# KiCad board data-center-rdimm-ddr4-tester.kicad_pcb (continued)
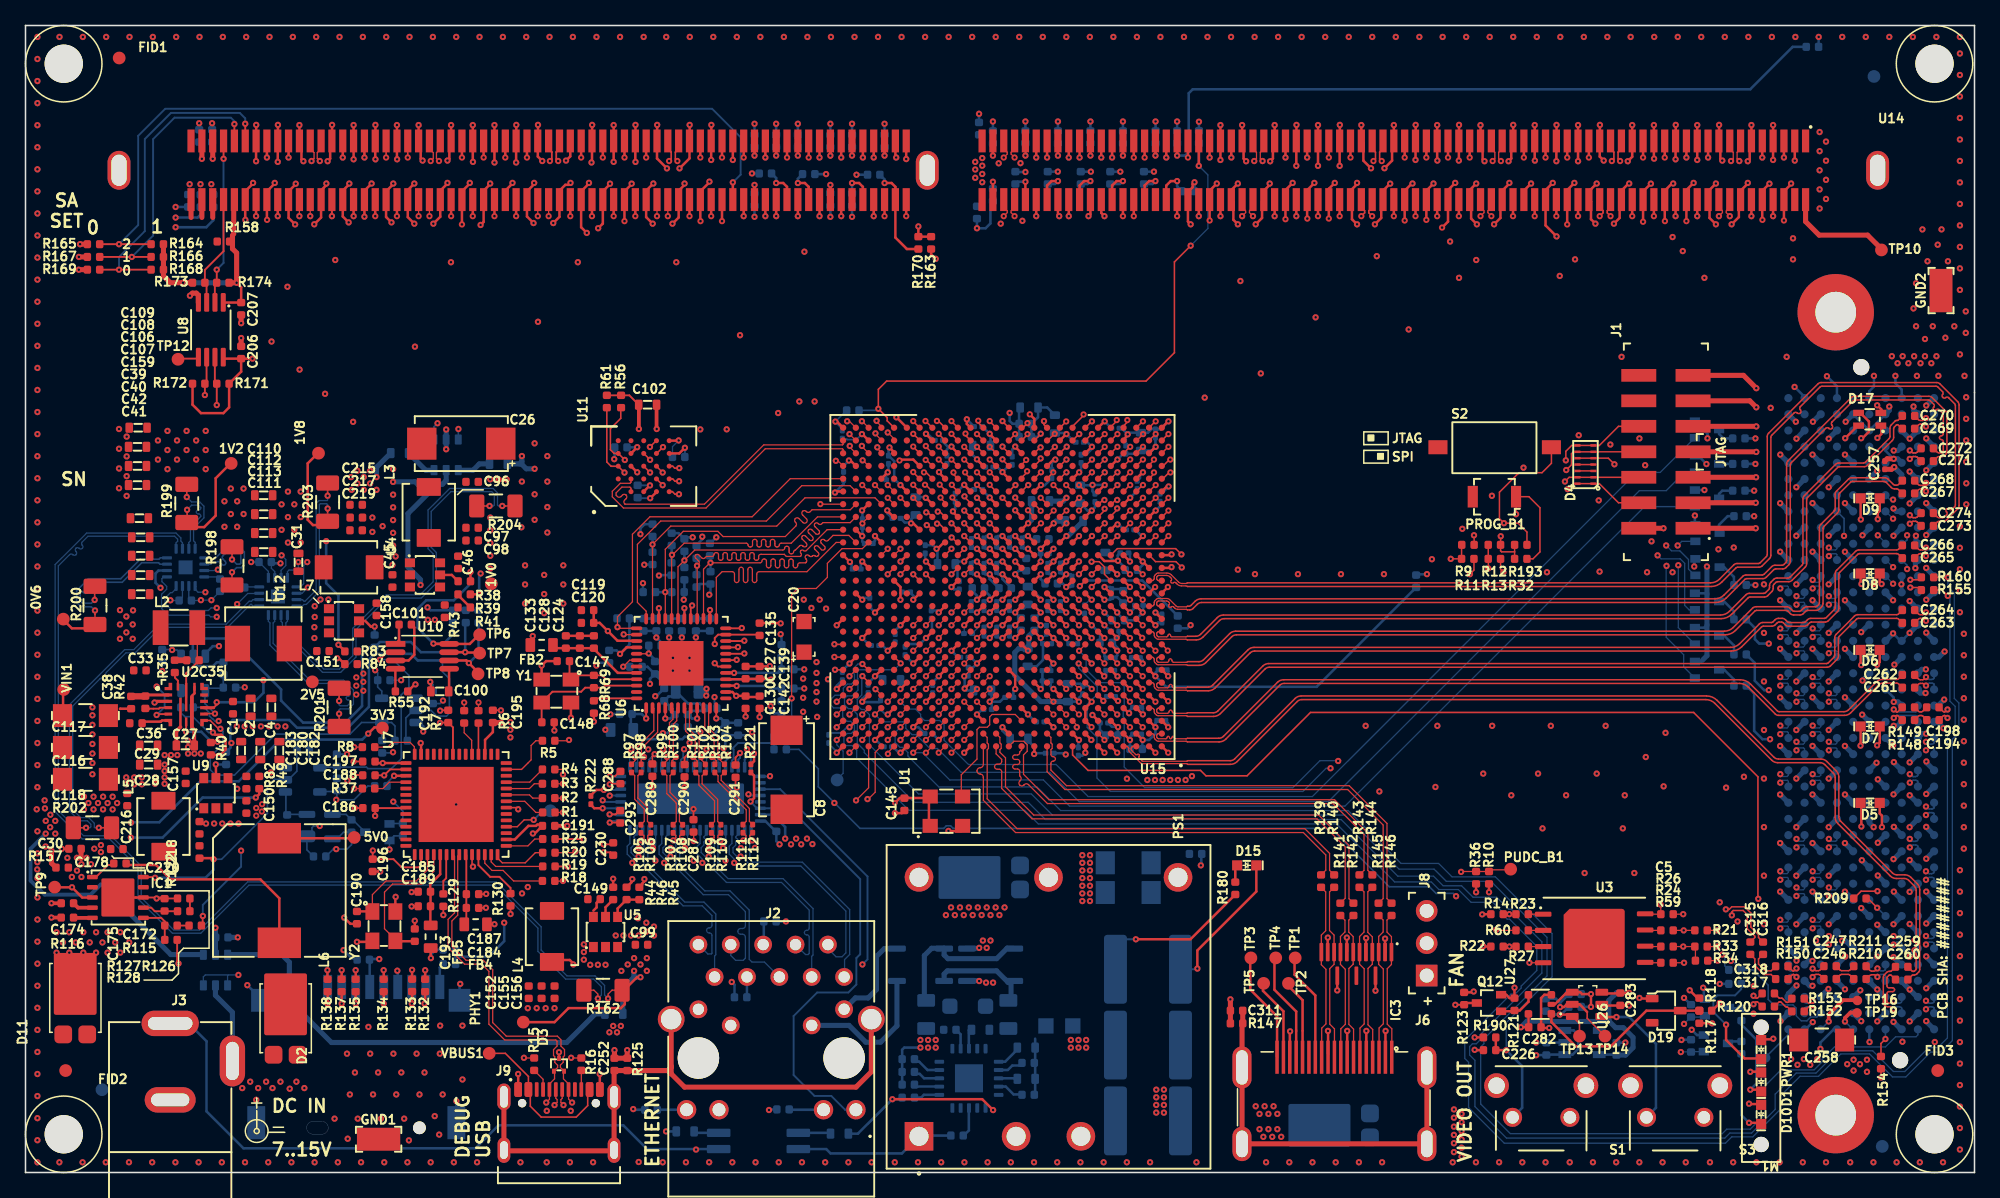
[diagram p0: board, top side]
## Routing (per net, layer and track width the routed paths; a pad name or vN(x,y) marks a point on that pad's centre or on a via; arc(x,y) is an arc through that point) (continued)
~{PERST}: length 81
  Top w0.127: 144.38,21.5 144.53,21.5 v1(145.25,20.78) ; U15.A8 82.14,32.76 83.35,31.55 92.18,31.55 92.6,31.12 95.82,31.12 100.8,36.1 130.85,36.1 135.9,31.05 135.9,21.5 v1(135.93,21.47)
  In5.Cu w0.127: v1(135.93,21.47) 137.14,20.26 144.73,20.26 v1(145.25,20.78)
  Bottom w0.127: J5.D8 145.9,20.12 v1(145.25,20.78)
~{RAS}\A16: length 42.8
  Top w0.127: U15.AA12 78.64,53.94 v1(78.66,53.94)
  Top w0.2: U14.82 v1(65.69,79.64)
  In9.Cu w0.1: v1(78.66,53.94) 78.66,54.64 78.4,54.9 78.4,55.9 78.7,56.2 78.7,58.6 79.6,59.5 79.6,60.5
  In9.Cu w0.16: 79.6,60.5 79.6,63.6 80.2,64.2 80.2,67.4 80.05,67.55 arc(79.98,67.71) 80.05,67.87 80.09,67.91 arc(80.16,68.07) 80.09,68.23 arc(79.93,68.29) 79.77,68.23 79.37,67.83 arc(79.21,67.76) 79.06,67.83 arc(78.99,67.99) 79.06,68.15 79.45,68.54 arc(79.52,68.7) 79.45,68.86 arc(79.29,68.93) 79.14,68.86 78.74,68.46 arc(78.58,68.4) 78.42,68.46 arc(78.35,68.62) 78.42,68.78 78.82,69.18 arc(78.88,69.34) 78.82,69.5 arc(78.66,69.57) 78.5,69.5 78.1,69.1 arc(77.94,69.03) 77.78,69.1 arc(77.72,69.26) 77.78,69.42 77.82,69.46 arc(77.89,69.62) 77.82,69.78 75.25,72.35 75.25,74.4 74.9,74.75 68.97,74.75 65.68,78.04 65.68,79.63 v1(65.69,79.64)
~{RESET}: length 40.7
  Top w0.127: v2(83,59.48) 83,59.41 82.14,58.55 U15.AF8
  Top w0.2: U14.58 v2(91.19,79.64)
  In2.Cu w0.1: v2(83,59.48) 83.02,59.5 83.7,59.5 84.4,60.2 84.4,60.45
  In2.Cu w0.16: 84.4,60.45 84.4,60.89 84.84,61.33 88,61.33 90.72,64.05 90.72,67.62 arc(90.65,67.8) 90.47,67.88 90.46,67.88 arc(90.29,67.95) 90.21,68.12 arc(90.29,68.3) 90.46,68.38 91.34,68.38 arc(91.51,68.45) 91.59,68.62 arc(91.51,68.8) 91.34,68.88 90.46,68.88 arc(90.29,68.95) 90.21,69.12 arc(90.29,69.3) 90.46,69.38 91.34,69.38 arc(91.51,69.45) 91.59,69.62 arc(91.51,69.8) 91.34,69.88 90.97,69.88 arc(90.8,69.95) 90.72,70.12 90.72,70.62 arc(90.81,70.82) 91,70.9 91.47,70.9 arc(91.67,70.98) 91.75,71.17 arc(91.67,71.37) 91.47,71.45 91.12,71.45 arc(90.93,71.53) 90.85,71.72 90.85,72.97 arc(90.92,73.13) 91.07,73.2 92.11,73.2 arc(92.27,73.27) 92.34,73.42 arc(92.27,73.58) 92.11,73.65 90.95,73.65 arc(90.79,73.72) 90.72,73.88 90.72,74.58 91.19,75.04 91.19,75.44 arc(91.1,75.65) 90.89,75.74 90.39,75.74 arc(90.17,75.83) 90.09,76.04 arc(90.17,76.25) 90.39,76.34 91.99,76.34 arc(92.2,76.43) 92.29,76.64 arc(92.2,76.85) 91.99,76.94 91.49,76.94 arc(91.27,77.03) 91.19,77.24 v2(91.19,79.64)
~{SAVE}: length 44.9
  Top w0.127: U15.Y10 v3(79.64,52.94)
  Top w0.2: 62.29,76.34 v1(62.29,75.04)
  In5.Cu w0.09: v3(79.64,52.94) 78.86,52.94 78.12,53.68 78.12,59.92 78.17,59.97 78.17,60.44
  In5.Cu w0.146: 78.17,60.44 78.17,67.63 77.93,67.87 arc(77.86,68.05) 77.93,68.22 77.97,68.26 arc(78.04,68.44) 77.97,68.61 arc(77.79,68.69) 77.61,68.61 77.19,68.19 arc(77.01,68.11) 76.83,68.19 arc(76.76,68.36) 76.83,68.54 77.26,68.97 arc(77.33,69.14) 77.26,69.32 arc(77.08,69.39) 76.91,69.32 76.48,68.89 arc(76.3,68.82) 76.13,68.89 arc(76.05,69.07) 76.13,69.25 76.55,69.67 arc(76.63,69.85) 76.55,70.03 arc(76.38,70.1) 76.2,70.03 75.77,69.6 arc(75.59,69.53) 75.42,69.6 arc(75.34,69.78) 75.42,69.95 75.85,70.38 arc(75.92,70.56) 75.85,70.74 arc(75.67,70.81) 75.49,70.74 75.06,70.31 arc(74.89,70.23) 74.71,70.31 arc(74.64,70.48) 74.71,70.66 74.75,70.7 arc(74.82,70.88) 74.75,71.05 74.31,71.49 74.31,71.94 71.32,74.92 69.45,74.92 68.97,74.45 66.05,74.45 64.8,75.7 62.9,75.7 62.29,75.09 v1(62.29,75.04)
~{WE}\A14: length 41.2
  Top w0.127: U15.AA13 77.64,53.94 v1(77.66,53.94)
  Top w0.2: 63.99,76.34 v1(63.99,75.04)
  In9.Cu w0.1: 76.9,60.5 76.9,60.35 76.22,59.67 76.22,58.73 77.2,57.75 77.2,54.4 v1(77.66,53.94)
  In9.Cu w0.16: 76.9,60.5 76.9,63.1 arc(76.97,63.28) 77.15,63.35 77.19,63.35 arc(77.37,63.42) 77.44,63.6 arc(77.37,63.78) 77.19,63.85 76.61,63.85 arc(76.43,63.92) 76.36,64.1 arc(76.43,64.28) 76.61,64.35 77.19,64.35 arc(77.37,64.42) 77.44,64.6 arc(77.37,64.78) 77.19,64.85 76.61,64.85 arc(76.43,64.92) 76.36,65.1 arc(76.43,65.28) 76.61,65.35 77.19,65.35 arc(77.37,65.42) 77.44,65.6 arc(77.37,65.78) 77.19,65.85 77.15,65.85 arc(76.97,65.92) 76.9,66.1 76.9,66.7 76.83,66.77 arc(76.76,66.93) 76.83,67.09 76.91,67.17 arc(76.98,67.33) 76.91,67.49 arc(76.75,67.55) 76.59,67.49 76.11,67.01 arc(75.95,66.94) 75.79,67.01 arc(75.73,67.17) 75.79,67.33 76.27,67.81 arc(76.34,67.96) 76.27,68.12 arc(76.11,68.19) 75.95,68.12 75.48,67.65 arc(75.32,67.58) 75.16,67.65 arc(75.09,67.8) 75.16,67.96 75.64,68.44 arc(75.7,68.6) 75.64,68.76 arc(75.48,68.83) 75.32,68.76 75.24,68.68 arc(75.08,68.61) 74.92,68.68 72.45,71.15 66.82,71.15 63.98,73.99 63.98,75.03 v1(63.99,75.04)
Net-(C35-Pad1): length 1
  Top w0.45: 11.65,40.19 C35.1
Net-(C172-Pad1): length 1
  Top w0.15: C172.1 R115.2
Net-(D1-Pad2): length 7
  Top w0.2: v1(135.3,6.5) 136.06,6.5 136.15,6.41
  Bottom w0.2: R30.1 134.6,11.61 135.77,10.44 135.77,6.97 v1(135.3,6.5)
Net-(D5-Pad2): length 19.3
  Top w0.2: v1(144.01,27.15) 144.01,28.94 D5.2
  In7.Cu w0.15: v1(144.01,27.15) 140.85,30.31 140.85,33.5 140.44,33.92 140,33.92 139.67,34.24 138.49,34.24 138.21,33.95 136.9,33.95 v1(136.85,34)
  Bottom w0.2: R50.1 135.6,37.58 135.6,34.65 136.25,34 v1(136.85,34)
Net-(D6-Pad2): length 13.1
  Top w0.2: v1(144,39.81) 143.95,39.86 D6.2
  In7.Cu w0.15: v1(136.75,41.5) 136.82,41.58 138.45,41.58 138.74,41.86 139.6,41.86 139.89,41.58 140.57,41.58 140.9,41.89 142.54,41.89 144,40.44 v1(144,39.81)
  Bottom w0.2: v1(136.75,41.5) 136,41.5 135.66,41.84 135.66,42.72 R51.1
Net-(D7-Pad2): length 15
  Top w0.2: v1(143.94,33.49) 143.95,33.5 D7.2
  In7.Cu w0.15: v1(143.94,33.49) 140.8,36.64 140.8,37.5 140.56,37.73 140.04,37.73 139.72,38.05 138.5,38.05 138.22,37.77 136.84,37.77 v1(136.75,37.85)
  Bottom w0.2: v1(136.75,37.85) 136.39,37.85 135.65,38.59 135.65,39.98 R52.1
Net-(D8-Pad2): length 10.9
  Top w0.2: D8.2 143.95,46.25 v1(144.02,46.18)
  In7.Cu w0.2: v1(135.7,46.09) 135.7,46.45 136.3,47.05 143.15,47.05 v1(144.02,46.18)
  Bottom w0.2: v1(135.7,46.09) 135.69,46.1 R53.1
Net-(D9-Pad2): length 11.1
  Top w0.2: D9.2 143.95,51.26 v1(143.97,51.24)
  In7.Cu w0.2: v1(135.6,51.5) 136,51.9 143.31,51.9 v1(143.97,51.24)
  Bottom w0.2: R54.1 v1(135.6,51.5)
Net-(D10-Pad2): length 6.6
  Top w0.2: v1(135.2,3.9) 136.12,3.9 136.15,3.87
  Bottom w0.2: R31.1 134.6,4.5 v1(135.2,3.9)
Net-(D15-Pad1): length 1.4
  Top w0.2: D15.1 94.9,23.95 R180.1
Net-(D17-C_{G}): length 12.6
  Top w0.2: v1(144,57.61) 144.09,57.61 144.6,58.13 144.6,58.93 144.04,59.5 143.82,59.5
  In7.Cu w0.2: v1(135.7,55.6) 136.2,55.6 137.6,57 143.38,57 v1(144,57.61)
  Bottom w0.2: 134.88,55.6 v1(135.7,55.6)
Net-(D17-C_{R}): length 9.7
  Top w0.2: v1(142.75,57.61) 143.63,58.5 143.82,58.5
  In7.Cu w0.2: v1(135.7,57.6) 136.6,57.6 137.05,58.05 142.31,58.05 v1(142.75,57.61)
  Bottom w0.2: 134.88,57.6 v1(135.7,57.6)
Net-(D17-C_{Y}): length 15.5
  Top w0.2: 145.57,59.5 145.57,59.88 v1(145.25,60.2)
  In7.Cu w0.2: v1(135.6,53.5) 136.1,53.5 138.4,55.8 143.5,55.8 144.7,57 144.7,59.65 v1(145.25,60.2)
  Bottom w0.2: 134.88,53.5 v1(135.6,53.5)
Net-(IC1-BOOT): length 1.7
  Top w0.15: 6.93,24.13 6.47,24.13 5.6,23.25
Net-(IC1-COMP): length 2.8
  Top w0.15: R115.1 10.14,20.5 9.86,20.78 9.29,20.78
Net-(IC1-FB): length 3.2
  Top w0.15: 9.29,19.98 10.65,19.98 10.93,19.7 R127.2 R128.1
Net-(IC1-RT/CLK): length 1.5
  Top w0.3: 5.29,19.98 3.8,19.98
Net-(IC1-SS/TR): length 1.7
  Top w0.3: 5.29,20.78 4.12,20.78 3.77,21.13
Net-(IC1-SW): length 16.6
  Top w0.2: L6.1 19.91,21.51 18.43,23 11.38,23 10.25,24.13 7.9,24.13
Net-(IC2-Pad2): length 2
  Bottom w0.2: 54.38,3.11 52.56,3.11 R184.1
Net-(IC2-Pad3): length 2.5
  Bottom w0.2: R183.2 63.09,3.11 60.62,3.11
Net-(J2-LED_GRN+): length 2.3
  Bottom w0.2: R67.1 51.86,4.92
Net-(J2-LED_YEL+): length 2.7
  Bottom w0.2: R62.1 59.94,4.92 62.6,4.92
Net-(J2-P4): length 1.6
  Bottom w0.2: 56.59,15.34 56.59,13.76 C221.1
Net-(J2-P5): length 1.8
  Bottom w0.2: J2.5 57.91,17.93 C312.1
Net-(J5A-VREF_{B_M2C}): length 2.9
  Bottom w0.127: 138.28,11.23 138.28,10.84 136.5,9.05
Net-(J5B-VREF_{A_M2C}): length 4.1
  Top w0.3: 143.7,13.53 142.57,13.53 141.45,12.4 v1(141.45,11.85)
  Bottom w0.127: 140.82,11.23 140.84,11.23 v1(141.45,11.85)
Net-(J5C-PG_{M2C}): length 2.3
  Top w0.3: v1(142.72,11.85) 142.72,12.12 143.15,12.55 143.68,12.55
  Bottom w0.127: v1(142.72,11.85) 143.34,11.23 143.37,11.23
Net-(J5D-PG_{C2M}): length 2.3
  Top w0.127: R154.1 145.55,10.12 v1(145.9,10.47)
  Bottom w0.127: v1(145.9,10.47) 145.9,11.23 145.91,11.23
Net-(J6-+5V): length 6.5
  Top w0.2: 97.07,14.84 97.07,14.25 98.68,12.65 98.68,9.05
Net-(J6-CEC): length 8.5
  Top w0.2: 99.55,16.84 99.55,15.52 101.18,13.89 101.18,9.05
Net-(J6-HPD/HEAC-): length 8.7
  Top w0.2: 96.07,16.84 96.07,14.36 98.18,12.25 98.18,9.05
Net-(J6-SCL): length 6.3
  Top w0.2: 98.86,14.84 100.18,13.53 100.18,9.05
Net-(J6-SDA): length 8.3
  Top w0.2: 97.97,16.66 97.97,14.34 99.68,12.63 99.68,9.05
Net-(J7-CD_SW1): length 1.9
  Bottom w0.2: R136.2 32.5,16.08 32.5,14.55
Net-(J9-CC1): length 1.7
  Top w0.1: R15.2 40.6,7.31 40.6,6.59
Net-(J9-CC2): length 1.4
  Top w0.1: R16.1 43.6,6.59
Net-(PWR1-Pad2): length 9.9
  Top w0.2: v1(133.4,11.6) 133.4,10.4 134.85,8.95 136.15,8.95
  Bottom w0.15: v1(133.4,11.6) 132.4,12.6 132.4,13.6 132.7,13.9 134.1,13.9 134.59,14.39 R119.1
Net-(Q1-D): length 1.5
  Bottom w0.2: R187.2 133.1,53.5 132.85,53.25 Q1.3
Net-(Q2-D): length 2
  Bottom w0.2: R50.2 134.01,38.69 133.25,39.45 Q2.3
Net-(Q3-D): length 2.1
  Bottom w0.2: R51.2 134.01,44.03 133.25,44.8 Q3.3
Net-(Q4-D): length 2.2
  Bottom w0.2: R52.2 134.01,41.36 133.28,42.1 Q4.3
Net-(Q5-D): length 2.1
  Bottom w0.2: R53.2 134.01,46.73 133.25,47.5 132.85,47.5
Net-(Q6-D): length 2.1
  Bottom w0.2: R54.2 133.53,51.5 132.85,50.83 132.85,50.17
Net-(Q7-D): length 0.9
  Bottom w0.2: R30.2 133.65,12.89
Net-(Q8-D): length 1.2
  Bottom w0.2: 133.63,10.14 Q8.3 133.7,10.28 R31.2
Net-(Q9-D): length 1.1
  Bottom w0.2: Q9.3 R188.2
Net-(Q10-D): length 1.6
  Bottom w0.2: R189.2 133.2,57.6 132.85,57.95 Q10.3
Net-(Q11-D): length 3.2
  Bottom w0.12: Q11.3 25.68,27.67 R192.2
  Bottom w0.127: R192.2 25.15,28.1 U18.3
Net-(Q12-G): length 3
  Top w0.2: 117.9,13.95 117.9,13.4 117.22,12.72 R121.1 116.74,12.65 Q12.1
Net-(R17-Pad1): length 2.6
  Bottom w0.4: R17.1 31.4,55.1 32.05,55.1
Net-(R29-Pad1): length 2.7
  Bottom w0.4: 33.95,55.1 35.1,55.1 35.6,55.6 R29.1
Net-(R39-Pad2): length 1.4
  Top w0.2: 33.93,45.31 R41.1
Net-(R113-Pad1): length 35.1
  Bottom w0.4: 15.85,17.1 20.1,17.1 20.7,16.5 20.7,13.5 24,10.2 42.45,10.2 44.7,12.45 R113.1
Net-(R114-Pad1): length 8.3
  Bottom w0.4: 13.95,17.1 11.4,17.1 R114.1
Net-(R126-Pad2): length 1
  Top w0.15: R127.1 12.93,19.38
Net-(U2-BST): length 1.2
  Top w0.15: 11.96,38.12 11.96,38.59 11.72,38.83 11.72,39.2
Net-(U2-PGOOD): length 4.1
  Top w0.15: 12.6,35.36 v1(12.6,34.58)
  Top w0.2: 14.55,33.75 15.01,33.75 v1(15.06,33.8)
  Bottom w0.2: v1(12.6,34.58) 13.8,34.58 14.58,33.8 v1(15.06,33.8)
Net-(U2-SW): length 5.7
  Top w0.1: L2.1 13.48,40.33
  Top w0.15: 12.6,37.31 12.6,39.17 13.62,40.19
Net-(U2-VTTSNS): length 2
  Top w0.15: 11.2,36.47 10.54,36.47 10.46,36.39 9.71,36.39 ; 9.71,36.39 9.41,36.39 ; 9.71,36.39 9.51,36.39
Net-(U3-SCK): length 1.4
  Top w0.1: 126.93,17.73 R24.1
Net-(U3-SI/IO0): length 1.4
  Top w0.1: 126.93,16.46 R59.1
Net-(U3-SO/IO1): length 1.3
  Top w0.1: R60.1 119.18,19
Net-(U3-~{CS}): length 1.3
  Top w0.1: R23.1 119.18,20.27
Net-(U3-~{HOLD}/IO3): length 1.4
  Top w0.1: 126.93,19 R26.1
Net-(U3-~{WP}/IO2): length 1.3
  Top w0.1: R27.1 119.18,17.73
Net-(U4-EN): length 1.5
  Top w0.2: R38.2 33.44,46.89 32.64,46.89
Net-(U5-BST): length 1.1
  Top w0.2: 44.55,20.55 44.8,20.8 44.8,21.16 C149.1
Net-(U5-EN): length 1.5
  Top w0.2: R44.2 45.5,20.81 45.5,20.17
Net-(U5-FB): length 2.5
  Top w0.2: 46.45,20.17 46.45,20.71 R45.2 R46.1
Net-(U6-ISET): length 3.2
  Top w0.15: 48.01,37.2 44.78,37.2
Net-(U6-XI): length 9.6
  Top w0.15: 40.49,35.34 40.49,36.88 41.34,37.73 43.59,37.73 43.9,38.04 R69.2 45.29,38.04 45.45,38.2 48.01,38.2
Net-(U6-XO): length 6.1
  Top w0.15: 42.67,40.13 42.67,38.79 ; 43.35,39.01 R69.1 45.22,39.01 45.52,38.7 48.01,38.7
Net-(U7-ADBUS0): length 5.8
  Top w0.1: 36.03,24.94 36.03,24.27 36.6,23.7 37.46,23.7 38.29,22.88 R18.1
Net-(U7-ADBUS1): length 4.8
  Top w0.1: R19.1 36.88,24.02 36.53,24.37 36.53,24.94
Net-(U7-ADBUS2): length 4.3
  Top w0.11: R20.1 39.99,25.09 39.2,24.3 37.4,24.3 37.03,24.67 37.03,24.94
Net-(U7-ADBUS3): length 3.1
  Top w0.1: R25.1 39.95,26.17 39.41,25.63 37.72,25.63 37.72,25.63
Net-(U7-ADBUS5): length 3.8
  Top w0.11: 37.72,27.13 38.58,27.13 39.12,27.67 v1(39.86,27.67)
  Bottom w0.15: 41.08,28.28 40.47,28.28 v1(39.86,27.67)
Net-(U7-BDBUS0): length 3.2
  Top w0.1: R1.1 40.04,28.25 39.16,29.13 37.72,29.13 37.72,29.13
Net-(U7-BDBUS1): length 2.9
  Top w0.1: R2.1 39.79,29.38 39.54,29.63 37.72,29.63 37.72,29.63
Net-(U7-BDBUS2): length 3
  Top w0.1: 37.72,30.13 37.72,30.13 39.54,30.13 39.91,30.5 R3.1
Net-(U7-BDBUS3): length 3.2
  Top w0.1: R4.1 39.56,30.63 37.72,30.63 37.72,30.63
Net-(U7-BDBUS5): length 4.4
  Top w0.1: R5.1 40.04,33.88 39.66,33.5 39.66,32.38 39.41,32.13
  Top w0.11: 39.41,32.13 38.91,31.63 37.72,31.63
Net-(U7-CDBUS0): length 2.5
  Top w0.127: 35.53,32.82 35.53,35.26 R6.1
Net-(U7-CDBUS1): length 2.7
  Top w0.1: 35.03,32.82 35,32.85 35,33.91 34.41,34.5 R7.1
Net-(U7-DDBUS0): length 4
  Top w0.1: 30.53,32.82 30.5,32.85 30.5,33.41 30.16,33.75 28.79,33.75 28.41,33.38 R8.1
Net-(U7-DDBUS1): length 2.7
  Top w0.1: R37.1 28.04,30.13 28.54,30.63 29.84,30.63 29.84,30.63
Net-(U7-OSCI): length 8.8
  Top w0.1: Y2.1 27.21,21.8 28.29,22.88 30.66,22.88 31.53,23.75 U7.3
  Top w0.2: C190.1 26,20.49 27.2,20.49
Net-(U7-OSCO): length 11.4
  Top w0.1: U7.4 32.03,23.62 31.04,22.63 28.79,22.63 28.16,22 28.16,19.13 29.01,18.28
  Top w0.2: 30.54,18.14 29.05,18.14
Net-(U7-REF): length 3.2
  Top w0.15: U7.6 33,24.91 33,23.09 32.78,22.87 R129.2
Net-(U7-V_{PHY}): length 5.7
  Top w0.2: 31.77,22.03 31.77,20.89 ; U7.5 32.53,23.41 31.75,22.62 31.75,22.05 ; 31.76,19.5 31.76,20.88
Net-(U7-V_{PLL}): length 5.5
  Top w0.15: 34.58,19.47 C184.1 C187.1 34.58,24.89 34.53,24.94
Net-(U7-~{RESET}): length 4.5
  Top w0.15: 35.53,24.94 35.53,24.12 36.45,23.2 37.18,23.2 38.05,22.33 R130.2
Net-(U8-EN): length 1.6
  Top w0.15: 11.96,63.86 13.56,63.86
Net-(U9-EN): length 1.8
  Top w0.2: 14.94,31.06 14.94,32.01 v1(14.93,32.02)
  Bottom w0.2: R47.2 14.93,32.01 v1(14.93,32.02)
Net-(U10-INV): length 1.8
  Top w0.2: R55.1 29.01,39.52
Net-(U10-TADJ): length 1.7
  Top w0.2: 33.23,39.53 33.23,37.78
Net-(U12-EN): length 1.6
  Top w0.2: 26.64,43.29 27.09,42.84 v1(27.39,42.84)
  Bottom w0.2: R48.2 v1(27.39,42.84)
Net-(U13-~{BT}): length 2.3
  Bottom w0.2: 71.64,8.05 70.75,8.05 70.1,8.7 69.93,8.7 R182.1
Net-(U15G-IO_L4N_T0_33): length 29
  Top w0.127: U15.Y7 v2(82.64,51.94)
  Top w0.2: R163.1 71.04,72.05 v1(71.4,71.69)
  In2.Cu w0.1: v2(82.64,51.94) 82.14,52.44 82.14,53.06 81.72,53.48 78.5,53.48 78.2,53.78 78.2,54.04 77.8,54.44 77.8,56.17 78.09,56.46 78.09,57.16 77.83,57.42 77.48,57.42 76.95,57.95 76.95,58.45 77.06,58.56 77.06,59.14 76.73,59.46 76.73,60.45
  In2.Cu w0.16: v1(71.4,71.69) 72.41,71.69 76.72,67.38 76.72,60.45 76.73,60.45
Net-(U15J-MGTRREF_115): length 1.6
  Top w0.1: U15.M6 v1(84.64,43.94)
  Bottom w0.2: v1(84.64,43.94) 85.24,43.34 R207.1
Net-(U16-SEL): length 6
  Bottom w0.15: 58.72,33.72 58.7,33.7 55.89,33.7 55.47,33.28 55.54,33.2 55.54,32.45 55.41,32.32 U16.17 ; 58.72,33.72 58.72,34.2 ; 58.72,33.72 58.72,33.2
Net-(U19-~{PWRDN}): length 1.3
  Bottom w0.1: R194.2 15.09,46.73 14.02,46.73
Net-(U20-~{PWRDN}): length 1.2
  Bottom w0.1: 18.34,45.95 17.25,45.95 R195.2
Net-(U26-~{PB_IN}): length 11
  Top w0.2: v1(124.8,12.2) 123.9,12.2 123.85,12.25
  Bottom w0.2: 127.15,4.33 127.9,5.08 127.9,10.1 125.8,12.2 v1(124.8,12.2)
Net-(U27-~{OE}): length 14.2
  Top w0.2: 119.7,12.45 119.7,11.8 121.6,9.9 124.35,9.9 127.15,12.7 R120.2
unconnected-(D4-D2+-Pad12): length 1.2
  Top w0.12: D4.3 D4.12
unconnected-(D4-D2--Pad11): length 1.2
  Top w0.12: D4.11 D4.4

## Copper pours and planes (outline as drawn; the poured copper is in the pictures)
1V0_SYS on Top: 41.74,49.19 36.94,49.19 36.95,51.17 38.05,51.17 38.05,55.25 36.09,55.24 36.09,58.59 41.74,58.59
1V0_SYS on Top: 63.1,37.85 62.45,37.2 62.45,33.2 58.4,33.2 58.4,35.7 59.6,36.9 60.3,36.9 60.55,37.15 60.55,41.55 63.1,41.55
1V0_SYS on In2.Cu: 85,45.8 85,40.45 84.5,40 84.5,39.2 84.8,39 84.8,38.8 84.5,38.5 84.5,37.3 84.55,37.25 84.55,36.72 84.12,36.3 84.01,35.86 83.85,35.7 83.5,35.7 83.5,37.6 82.7,38.4 68.6,38.4 68.3,38.1 63.4,38.1 62.5,37.2 62.5,35.05 60.95,33.55 47,33.5 46.15,34.36 41.45,34.35 36.1,39.7 36.1,58 42.8,58 42.8,43.25 47.05,39 57.45,39.05 59.85,41.45 59.85,48.45 61.55,50.15 80.55,50.15
1V2_SYS on Top: 48.99,13.34 46.26,13.34 46.26,15.3 46.22,15.4 46.22,16.8 46.97,16.8 47.35,17.17 48.99,17.17
1V2_SYS on Bottom: 90.6,44.2 93,46.6 110.1,46.6 110.1,40.45 102.88,33.2 101.65,33.2 98.95,30.5 91.8,30.5 87.8,30.5 87.1,31.2 87.1,41.02 85.91,42.2 85.91,43.7 87.1,43.7 87.4,44 87.4,44.2
1V2_SYS on In3.Cu: 92,25.1 79.53,12.6 66.85,12.66 65.45,14.1 51.55,14.11 50.2,12.75 45.07,12.75 45.07,19.95 65.1,19.95 72.78,27.62 81,27.62 83.65,30.3 83.65,31.45 92,31.45
1V2_SYS on In10.Cu: 56.79,36.64 41.9,36.65 41.85,26.75 49.4,19.2 49.39,13.69 38.64,13.69 38.64,43.05 39.3,43.69 49.3,43.7 50.89,44.74 56.79,44.74
1V8_FT on Top: 39.14,33.74 37.64,33.74 37.64,36.64 39.14,36.64
1V8_FT on In7.Cu: 38.44,22.34 26.74,22.24 26.74,26.74 29.34,26.74 29.34,31.64 27.64,31.64 27.64,33.44 36.14,33.44 36.14,36.74 38.34,36.74
1V8_SYS on Top: 28.04,53.16 24.85,53.16 24.85,53.7 22.49,53.71 22.46,55.46 28.04,55.46
1V8_SYS on In8.Cu: 48.9,50.6 61.8,50.6 66.65,45.75 72.1,45.75 72.65,46.3 73.9,46.3 77.9,50.3 80.7,50.3 82.75,48.25 84.85,48.25 85,48.1 85,44.75 84.85,44.6 82.85,44.6 79.94,41.67 78.5,41.67 78.37,41.8 76.8,41.8 76.1,42.5 76.1,43.1 74.9,44.3 73.5,44.3 73.3,44.1 72.5,44.1 71.8,43.4 69.7,43.4 66.1,39.8 50.6,39.8 47.8,37 36.2,37 36.2,49.5 19.1,49.49 19.1,58.15 41.3,58.15
3V3_SYS on Top: 4.14,26.04 1.24,26.04 1.22,29.47 1.72,29.47 3.17,28.04 4.14,28.04
3V3_SYS on Bottom: 150.9,63.1 147.3,63.1 146.9,62.7 146.9,61.75 147.95,60.7 147.95,58.8 146.3,57.15 146.3,55.35 144.9,55.35 144.9,58.05 146.25,59.4 146.25,59.75 144.9,61.1 144.9,63.1 146.2,64.4 150.9,64.4
3V3_SYS on In3.Cu: 86,47.3 83.5,47.3 83.5,44.1 84,43.6 84,43 83.5,42.5 83.5,30.4 80.9,27.8 72.6,27.8 64.93,20.12 45,20.12 40.03,15.1 35.8,15.1 35.8,0 0,0 -0.1,65.3 36,65.3 41.1,60 62.9,60 63.55,59.35 63.55,56.8 65.25,55.1 67.4,55.1 69.3,53.2 70.8,53.2 70.8,50.4 86,50.4
3V3_SYS on In5.Cu: 152.89,0.04 -0.04,0.05 -0.04,26.15 -0.03,28.36 4.25,28.35 23,9.8 92.45,9.75 98.05,15.35 102.4,15.35 109.5,22.35 131.7,22.35 133.35,20.7 133.35,16.4 139.95,9.8 148.4,9.8 149.55,10.95 149.55,35.01 150.9,35.01 151.12,35.23 151.12,36.93 150.78,37.27 149.54,37.28 149.54,45.1 149.35,45.3 147.7,45.3 147.59,45.4 147.59,46.8 147.75,46.95 149.35,46.95 149.54,47.15 149.55,57.55 146.2,60.9 146.2,64.4 152.9,64.4
5V0_SYS on Top: 48.25,17.3 47.3,17.3 46.9,16.95 46.05,16.95 46.05,18.85 48.25,18.85
5V0_SYS on Top: 23.2,38.1 23.2,42.77 24.75,42.77 24.75,39.3 26.5,39.3 26.5,41.8 27.1,41.8 27.1,42.6 28.2,42.6 28.2,46.4 31.9,46.4 31.9,43.7 29.9,43.7 29.9,41.1 28.1,41.1 28.1,36.6 26.3,36.6 25.2,37.7 24.2,37.7 23.8,37.3 23.8,35.6 20.8,35.6 20.8,36.54 15.54,36.54 15.24,36.84 13.39,36.84 13.39,37.63 22.75,37.64
5V0_SYS on Top: 18.8,27.8 17.8,27.8 17.8,28.4 17.6,28.6 16.6,28.6 16.6,27.8 15.4,27.8 15.4,29.6 18.8,29.6
5V0_SYS on In2.Cu: 26.9,35.1 24.9,33.1 24.9,18 23.1,16.2 23.1,13.3 24,12.4 32.2,12.4 34.5,14.7 44.5,14.7 46,16.2 46,18.9 50.2,18.9 50.2,14 46,9.8 37.6,9.8 35.6,7.8 20.2,7.8 17.8,10.2 17.8,28.7 14.3,32.2 14.3,34.8 24,34.8 25.3,36.1 25.3,39.5 26.9,39.5
/Ethernet/AVDDL_PLL on Top: 41.65,40.5 45.15,40.5 45.15,41.5 41.65,41.5
/Ethernet/VDD on Top: 83.6,9.4 69.8,9.4 69.8,10.8 83.6,10.8
/Ethernet/VDD on Bottom: 86.8,1.4 86.7,1.3 81.6,1.3 81.5,1.4 81.5,18.6 81.6,18.7 86.7,18.7 86.8,18.6
/Ethernet/VDD on Bottom: 73,12.2 72.4,11.6 72.4,10.8 72.9,10.3 72.9,9.33 72.5,9.33 72.43,9.4 68.5,9.4 68.4,9.5 68.4,10.9 69.6,12.1 71.3,12.1 71.9,12.7 71.9,14 73,14
/Ethernet/VSS on Bottom: 76.2,13.9 76.2,12.3 76.3,12.2 80.6,12.2 80.7,12.1 80.7,10.5 80.6,10.4 75.61,10.4 75.44,10.23 75.44,5.96 72.58,5.96 72.58,8.82 74.3,8.82 74.4,8.92 74.4,10.3 75,10.9 75,12.1 74.8,12.3 74.8,13.9 74.9,14 76.1,14
GND on Top: 17.65,28.49 17.65,27.57 17.05,26.97 13.05,26.97 13.05,29.16 14.48,29.16 14.48,27.69 16.77,27.69 16.77,28.49
GND on Top: 7.14,24.89 5.48,24.89 5.48,25.16 5.15,25.16 5.15,25.95 7.15,25.95
GND on Top: 35.75,55 37.95,55 37.95,53.84 35.11,53.84 35.12,55.86 35.75,55.86
GND on Top: 24.39,43.77 22.94,43.77 22.94,41.93 23.21,41.66 23.21,40.5 22.44,40.5 22.44,45.44 24.39,45.44
GND on Top: 41.9,13.05 41.45,12.6 39.4,12.6 38.9,13.1 38.9,14.05 41.9,14.05
GND on Top: 44.92,16.72 45.72,16.72 45.72,15.8 44.1,15.8 43.45,16.8 43.45,18.17 44.92,18.17
GND on Top: 49.5,17.3 48.5,17.3 48.5,19.7 49.5,19.7
GND on Top: 43.99,42.54 45.14,42.54 45.14,41.59 41.39,41.59 40.49,42.49 32.24,42.44 31.39,41.59 29.94,41.59 29.94,43.69 36.84,43.69 36.84,46.76 36.1,47.5 36.1,49.2 35.04,49.2 35.04,51.12 36.82,51.12 36.84,48.94 43.99,48.94
GND on Top: 35.79,55.24 29.31,55.24 29.31,48.71 30.65,48.71 30.65,47.47 29.31,47.46 29.31,46.54 28.34,46.54 28.34,49.99 26.04,49.99 26.04,53.09 28.34,53.09 28.35,58.55 35.8,58.55
GND on Top: 14,32.62 12.5,32.62 12.5,34.12 14,34.12
GND on Top: 23.25,5.5 20.95,3.21 7.38,3.22 7.37,9.05 14.5,9.05 14.5,13.5 17.5,13.5 17.5,10.25 23.25,10.25
GND on Top: 21.9,48.14 18.77,48.14 18.77,53.89 21.9,53.89
GND on Top: 8.54,34.13 9.41,34.13 9.41,30.19 8.48,30.19 8.48,29.38 7.54,29.38 7.54,29.91 4.91,29.91 4.91,36.75 8.54,36.75
GND on Top: 8.79,37.99 7.04,37.99 7.04,59.14 8.79,59.14
GND on Top: 20.66,33.5 15.54,33.5 15.54,36.34 20.64,36.34
GND on Top: 152.4,64.5 147.5,64.5 147.5,74.9 152.4,74.9
GND on Top: 138.25,7.75 140.4,7.75 141.2,8.55 141.2,11.4 138.25,11.4
GND on Top: 135.5,63.71 123.51,63.7 123.51,57.69 118.55,57.69 118.55,56.24 115.1,52.8 115.09,50.74 113.04,50.74 109.6,47.3 94.9,47.3 93.35,48.85 93.35,59 92,60.4 92,68.45 96.75,73.2 135.5,73.2
GND on Top: 135.15,31.1 135.15,25.85 108,25.85 108,27.7 104.8,30.8 104.8,35.1 105.5,35.8 130.5,35.75
GND on Top: 62.35,25.35 58.4,25.35 58.4,29.7 62.35,29.7
GND on Top: 88.55,66.05 86.05,63.55 64.55,63.55 61.1,60.05 52.7,60.05 50.4,62.35 40.25,62.35 38.55,60.65 20.3,60.65 19.55,61.4 19.55,71.5 20.25,72.2 66.25,72.2 68.45,70 72.8,70 75.3,72.5 88.55,72.5
GND on Top: 63.1,42.55 60.5,42.55 60.5,44.9 60.9,45.3 63.1,45.3
GND on Top: 35.22,0.5 23.88,0.5 23.88,12.28 35.22,12.28
GND on Bottom: 127.75,37.1 134.35,30.5 134.35,15.7 120.7,15.7 120.7,19.8 115.7,24.8 108.6,24.8 105.68,27.72 105.68,28.78 124.4,47.5 127.75,47.5
GND on Bottom: 85.5,25.2 85.5,21 85.4,20.9 82.5,20.9 82.4,21 82.4,25.2 82.5,25.3 85.4,25.3
GND on In1.Cu: 152.89,-0.01 -0.01,-0.01 -0.01,89.99 152.89,89.99
GND on In2.Cu: 41.35,26.2 41.35,25.5 35.65,19.8 25.2,19.8 25.2,29.7 30.15,29.7 31.35,30.9 36.65,30.9
GND on In2.Cu: 124.4,30.6 124.4,28.45 125.97,26.85 125.97,24.72 132.7,18 132.7,16.1 118.6,16.1 116.5,14 102.2,14 93.1,23.1 93.1,26 92.6,26.5 84.7,26.5 84.3,26.9 84.3,30.5 84.7,30.9 87,30.9 87.3,30.6 103.9,30.6 106,32.7 122.3,32.7
GND on In2.Cu: 144.43,14.02 144.92,14.02 145.99,12.95 145.99,12.46 146.53,11.92 150.6,11.92 150.6,24.25 152.05,25.7 152.05,40.55 149.65,42.95 153,42.95 152.9,0 111.7,0 111.7,8 131.3,8 133.1,9.8 133.1,13.55 130.3,16.35 130.3,16.85 132.35,16.85 134.7,14.53 143.93,14.53
GND on In2.Cu: 62.38,56.05 57,56.05 53.1,52.1 53.1,46 51.9,44.84 43.11,44.84 43.11,58.25 35.7,58.3 35.67,39.5 26.6,39.5 26.63,36.27 20.3,30 20.29,7.79 35.6,7.9 35.6,0 0.1,0.03 0,90 152.9,90 152.98,42.39 148.4,42.4 148.02,42.78 146.99,42.78 146.89,42.88 146.89,43.92 145.2,45.6 135.85,45.6 134.55,46.88 95.85,46.85 94.95,47.75 89.6,47.75 89.6,49.4 107.12,49.38 121.28,63.53 121.25,82.13 109.2,82.1 109.2,77.3 90.5,58.6 89.3,58.6 89.3,60 93.4,64.15 93.4,81.15 92.5,82.05 54.82,82.05 54.84,77.44 57.55,77.42 57.54,72.66 50.38,72.65 47.65,75.35 47.65,82.05 34.95,82.05 33.9,81 33.9,66.8 41.1,59.45 62.38,59.45
GND on In3.Cu: 152.89,0 -0.01,0 -0.01,90 152.89,90
GND on In4.Cu: 152.89,89.99 152.89,-0.01 -0.01,-0.01 -0.01,89.99
GND on In5.Cu, In7.Cu, In9.Cu: 152.9,0.05 0,0.05 0,90 152.9,90
GND on In6.Cu, In8.Cu: 152.89,89.99 152.89,-0.01 -0.01,-0.01 -0.01,89.99
GND on In10.Cu: 152.89,89.99 152.89,-0.01 -0.01,-0.01 -0.01,89.99
GNDD on Top: 89.6,4.5 89.5,4.4 82,4.4 79.2,1.6 76.5,1.6 76.4,1.7 76.4,4 76.5,4.1 77.8,4.1 80.5,6.8 89.5,6.8 89.6,6.7
GNDD on Bottom: 79,1.7 78.9,1.6 74.6,1.6 74.46,1.7 74.46,5.6 75.7,5.6 75.8,5.7 77.1,5.7 77.1,4.1 78.9,4.1 79,4
GNDD on Bottom: 91.6,1.3 89.4,1.3 89.3,1.4 89.3,4.3 89.2,4.4 88.5,4.4 88.4,4.5 88.4,6.7 88.5,6.8 89.2,6.8 89.3,6.9 89.3,18.6 89.4,18.7 91.5,18.7 91.6,18.6
VCC0V6 on Top: 6.54,37.79 9.74,37.79 9.74,36.94 4.3,36.94 4.3,43.37 6.54,43.37
VCC1V0 on Top: 35.01,53.46 35.76,53.46 35.76,51.24 35.01,51.24 35.01,49.14 36,49.14 36,47.3 36.7,46.7 36.7,45.2 35.39,45.2 35.39,47.82 33.91,49.3 33.91,51.67 29.54,51.67 29.51,55.01 35.01,55.01
VCC1V2 on Top: 44.37,15.04 44.36,13.21 42.41,13.21 42.2,13.42 42.2,14.02 42,14.22 39,14.22 39,15.07 39.6,15.67 39.6,18.17 43.17,18.17 43.17,16.86
VCC1V8 on Top: 25.94,49.99 25.41,49.99 25.41,45.54 22.44,45.54 22.44,51.3 24.8,51.3 24.8,52.71 25.94,52.71
VCC2V5 on Top: 22.16,39.1 23.06,39.1 23.06,38.25 22.7,37.88 18.41,37.88 18.41,44.75 14.9,44.75 14.9,46.45 17.38,46.45 17.38,47.63 22.16,47.63
VCC3V3 on Top: 14.08,26.1 13.18,26.1 13.18,24.38 8.9,24.38 8.5,24.78 7.21,24.78 7.21,26.09 6.37,26.09 6.37,28.04 7.59,28.04 7.59,29.17 8.71,29.17 8.7,27.39 12.9,27.39 12.9,26.91 14.08,26.91
VCC3V3 on Top: 18.65,29.6 18.2,29.15 17.75,29.15 17.75,29.55 17.95,29.75 17.95,30.4 18.65,30.4
VCC5V0 on Top: 24.69,24.44 14.14,24.44 14.14,25.3 13.35,25.3 13.35,25.95 14.14,25.95 14.14,26.94 17.14,26.94 17.84,27.65 18.86,27.65 18.87,31.46 18.56,31.77 16.33,31.77 16.33,33 20.81,33 20.8,35.54 25.5,35.55 25.5,33.8 24.69,33
VDD1V2 on Top: 13.78,44.75 11.19,44.75 11.19,38.8 11.64,38.35 11.64,37.74 10.24,37.74 10.09,37.89 9.16,37.89 9.16,52.14 10.8,52.14 11.7,51.3 13.81,51.3
VDDQ on Top: 14.64,53.64 11,53.64 10.3,52.94 9.14,52.94 9.14,59.14 14.64,59.14
VDDQ on Bottom: 140.9,88.83 140.9,77.9 110.2,47.28 92.95,47.3 90.55,49.7 81.1,49.7 80.5,50.3 73.2,50.3 73.2,48.5 74,48.5 74,44.6 70.1,44.6 66.2,40.7 64.3,40.7 55.7,49.3 55.7,56.9 52.1,60.5 27.9,60.5 21.9,54.5 8.9,54.5 8.9,64.9 13.4,69.4 16.8,69.4 18.1,70.7 18.1,82.92 53.5,82.9 55.43,80.97 55.4,78.58 54.7,77.88 54.7,77.17 54.88,77 55.72,77 56.6,77.88 56.6,87.3 58.1,88.8
VIN on Top: 9.64,16.35 5.84,16.35 5.84,12.25 2.04,12.25 2.04,19.25 9.64,19.25
VIN on Top: 5.34,23.79 4.64,23.79 4.65,22.8 5.84,22.8 5.84,22.04 4.49,22.04 3.64,22.89 2.99,22.89 2.99,24.95 5.34,24.94
VIN on Top: 4.04,29.74 7.45,29.76 7.45,28.24 3.17,28.22 1.84,29.58 1.84,37.25 4.04,37.25
VIN on Top: 12.19,32.48 11.19,32.48 11.19,30.24 9.89,30.24 9.89,34.18 11.09,34.18 11.78,34.89 11.79,37.19 12.34,37.19 12.34,34.54 12.19,34.18
VIN on Bottom: 76.6,21.5 77.2,20.9 77.2,19.9 71.6,19.9 71.6,25 76.6,25
VIN on Bottom: 104,0.8 96.3,0.8 96.3,5.9 104,5.9
VIN on In8.Cu: 14.5,32.14 14.5,0.04 0.04,0.04 0.04,24.94 6.75,24.94 6.75,28.12 4.04,28.09 4.04,29.75 9.75,29.75 9.75,34 12.24,34 12.24,32.14
VIN on In9.Cu: 87.45,11.35 112.5,11.4 113.3,12.2 113.3,14.5 114.75,14.55 118.9,10.4 118.9,8.5 111.7,8.5 111.4,8.2 111.4,0.05 0.12,0.05 0.12,19.4 8.56,19.41 8.55,11.23 9.2,10.6 67.75,10.5 70,12.75 70,19.35 72.22,21.58 77.25,21.55
VIN_POE on Bottom: 91.69,21.2 91.49,21 87.49,21 87.39,21.1 87.39,25.3 87.19,25.5 79.1,25.5 78.9,25.3 78.9,21.59 78.7,21.4 77.3,21.4 77.2,21.5 77.2,26.6 77.4,26.8 91.6,26.8 91.7,26.7
VIN_RAW on Top: 14.04,9.85 2.24,9.85 2.19,11.65 7.69,11.65 7.64,15.45 14.04,15.45
12P0V on Top: 144.7,7.75 142.55,7.75 141.75,8.55 141.75,11.4 143.9,11.4 144.7,10.6
12P0V on Bottom: 114.2,0.8 104.55,0.8 104.55,5.95 111.7,5.95 114.2,3.45
12P0V on In9.Cu: 152.75,0.1 111.65,0.1 111.65,5.25 138.4,5.25 149.35,16.2 149.4,50.7 145.3,54.8 145.3,57.55 152.75,57.55
/Ethernet/PAIR_12 on Bottom, In2.Cu: 76,17.6 75.8,17.4 74.56,17.4 74.56,17.8 75.16,18.4 76,18.4
/Ethernet/PAIR_36 on Bottom, In2.Cu: 76.3,15 76.3,14.8 76.1,14.6 74.6,14.6 74.29,14.91 74.29,15.2 76.1,15.2
/Supply/VTT_CNTL on Top: 14.38,35.65 15.33,34.7 15.33,34.25 13.65,34.25 13.65,35.65
/Supply/VTTREF on Top: 11.55,34.85 11,34.3 8.75,34.3 8.75,35.65 11.55,35.65
NC on Top: 141.74,75.34 139.24,75.34 139.24,81.94 141.74,81.94
NC on Top: 2.75,22.9 1.68,22.91 1.17,23.42 0.65,23.42 0.65,24.76 1.06,24.76 1.3,25 1.3,25.85 2.5,25.85 2.5,25.25 2.75,25
NC on In8.Cu: 152.8,0.04 0,0.04 0,25.84 2.6,25.84 2.6,5.94 147.25,5.94 147.3,69.4 145.62,71.1 140.33,71.1 140.35,89.98 152.85,89.94
VPP on Top: 18.51,48.14 17.45,48.14 17.45,48.67 15.13,48.69 15.13,51.98 15.33,52.24 15.33,53.89 18.51,53.89
VPP on Top: 15.09,75.04 15.24,75.04 15.24,72.54 12.34,72.49 12.34,79.84 13.44,79.84 13.44,81.94 15.09,81.94
VPP on Bottom: 15.13,79.22 12.34,79.22 12.34,81.36 15.13,81.36
VPP on Bottom: 15.21,76.28 12.31,76.26 12.31,78.07 15.21,78.07
VPP on In8.Cu: 15.09,66.49 18.99,62.59 18.99,49.44 15.39,49.44 15.39,61.84 12.34,64.89 12.34,82.29 15.09,82.29
VTT on Top: 75.49,75.33 72.3,75.33 72.29,83.49 7.4,83.35 5,80.95 5,74.2 3.9,73.1 3.9,70.5 6.84,67.6 6.84,45.74 1.29,45.74 1.29,88.74 75.5,88.75
VTT on Bottom: 75.39,81.9 75.39,75.39 74.14,75.39 74.14,81.9
Net-(IC1-SW) on Top: 23.25,23.5 23.25,10.63 18,10.63 18,16.5 15.29,16.5 15.29,22.13 8.91,22.13 8.91,22.63 10.41,22.63 11.16,23.5
Net-(U2-BST) on Top: 12.05,37.85 11.85,37.85 11.85,38.42 11.42,38.85 11.42,39.45 12.05,39.45
Net-(U2-SW) on Top: 14.66,38.69 12.84,38.69 12.84,37.24 12.39,37.24 12.39,38.69 12.19,38.9 12.19,44.39 14.66,44.39
Net-(U2-SW_VPP) on Top: 18.04,37.88 13.66,37.88 13.66,38.5 15.16,38.5 15.16,43.5 18.04,43.5
Net-(U2-VTTSNS) on Top: 9.95,35.8 8.75,35.8 8.75,36.75 9.95,36.75
Net-(U4-BST) on Top: 33.28,47.78 34.33,47.78 34.33,47.06 33.4,47.06 33.4,47.41 32.03,47.41 32.03,48.2 33.28,48.2
Net-(U4-FB) on Top: 33.42,44.83 34.42,44.83 34.41,43.99 31.98,43.99 31.99,46.32 33.42,46.32
Net-(U4-SW) on Top: 33.64,48.99 33.89,48.74 34.26,48.74 34.26,47.99 33.41,47.99 33.41,48.19 33.19,48.41 31.8,48.42 31.8,46.52 29.41,46.51 29.4,51.45 33.63,51.45
Net-(U5-SW) on Top: 44.4,21 44,21 44,19.4 45.9,19.4 45.9,17 45.1,17 45.1,18.3 43.3,18.3 42.3,19.3 40,19.3 40,21.3 42.6,21.3 43.1,21.8 44.4,21.8
Net-(U9-BST) on Top: 14.37,30.48 13.62,30.48 12.92,31.18 12.23,31.18 12.23,31.9 14.37,31.9
Net-(U9-FB) on Top: 18.72,31.41 18.72,30.7 16.28,30.7 16.28,30.43 15.52,30.43 15.52,31.67 18.46,31.67
Net-(U9-SW) on Top: 13.55,30.31 15.31,30.31 15.31,27.83 14.47,27.83 14.47,29.22 12.9,29.22 12.9,27.66 9.01,27.67 9,29.89 12.06,29.88 12.07,30.94 12.92,30.94
Net-(U12-BST) on Top: 26.96,44.09 27.94,44.09 27.94,43.34 27.01,43.34 27.01,43.84 25.66,43.84 25.66,44.61 26.96,44.61
Net-(U12-FB) on Top: 26.91,41.96 26.43,41.96 26.43,39.51 25.65,39.51 25.65,42.71 26.91,42.71
Net-(U12-SW) on Top: 26.16,49.76 28.04,49.75 28.04,44.26 27.11,44.26 27.11,44.79 25.54,44.79 25.54,42.91 23.04,42.91 23.04,43.74 24.44,43.74 24.44,45.44 26.16,45.43

Small or netless copper shapes (teardrops, artwork), in the pictures only: 1 on Top

## Text on the board
User.Drawings: Die_9 | Die_8 | Die_7 | Die_6 | Die_5 | Die_4 | Die_3 | Die_2 | Die_1 | CLK | B 14 | B 15 | B 16 | B 12 | B 13 | DDR4 | B 115 | B 116
User.Eco1: JTAG | SPI | - | + | DC IN | 7..15V | 3V3 Power / indicator LED | FPGA programming / DONE LED | FPGA programming / INIT LED | HOT SWAP / status LED | 5x User LED | DC Power connector (J3) | USB-C debug connector / (J9) | Ethernet connector (J2) | DDR4 memory connector (U14) | PoE Indicator LED | HDMI connector (J6) | Fan connector (J8) | HOT SWAP / eject button | JTAG connector / (J1) | Power ON/OFF / button | Configuration mode / selector | FPGA programming button
User.Eco2: FMC HPC connector / (J5) | SD card connector (J7)
F.Mask: Rev. ${REVISION} | Data Center RDIMM / DDR4 Tester | 09/2024
F.Silkscreen: 2 | 1 | 0 | SPI | JTAG | + | PCB SHA: ######## | DC IN | 7..15V | SA / SET | SN | DEBUG / USB | VIDEO OUT | ETHERNET | FAN
